# Altium PCB Pleiades_Frouf.PcbDoc (part 1 of 12) (continued)
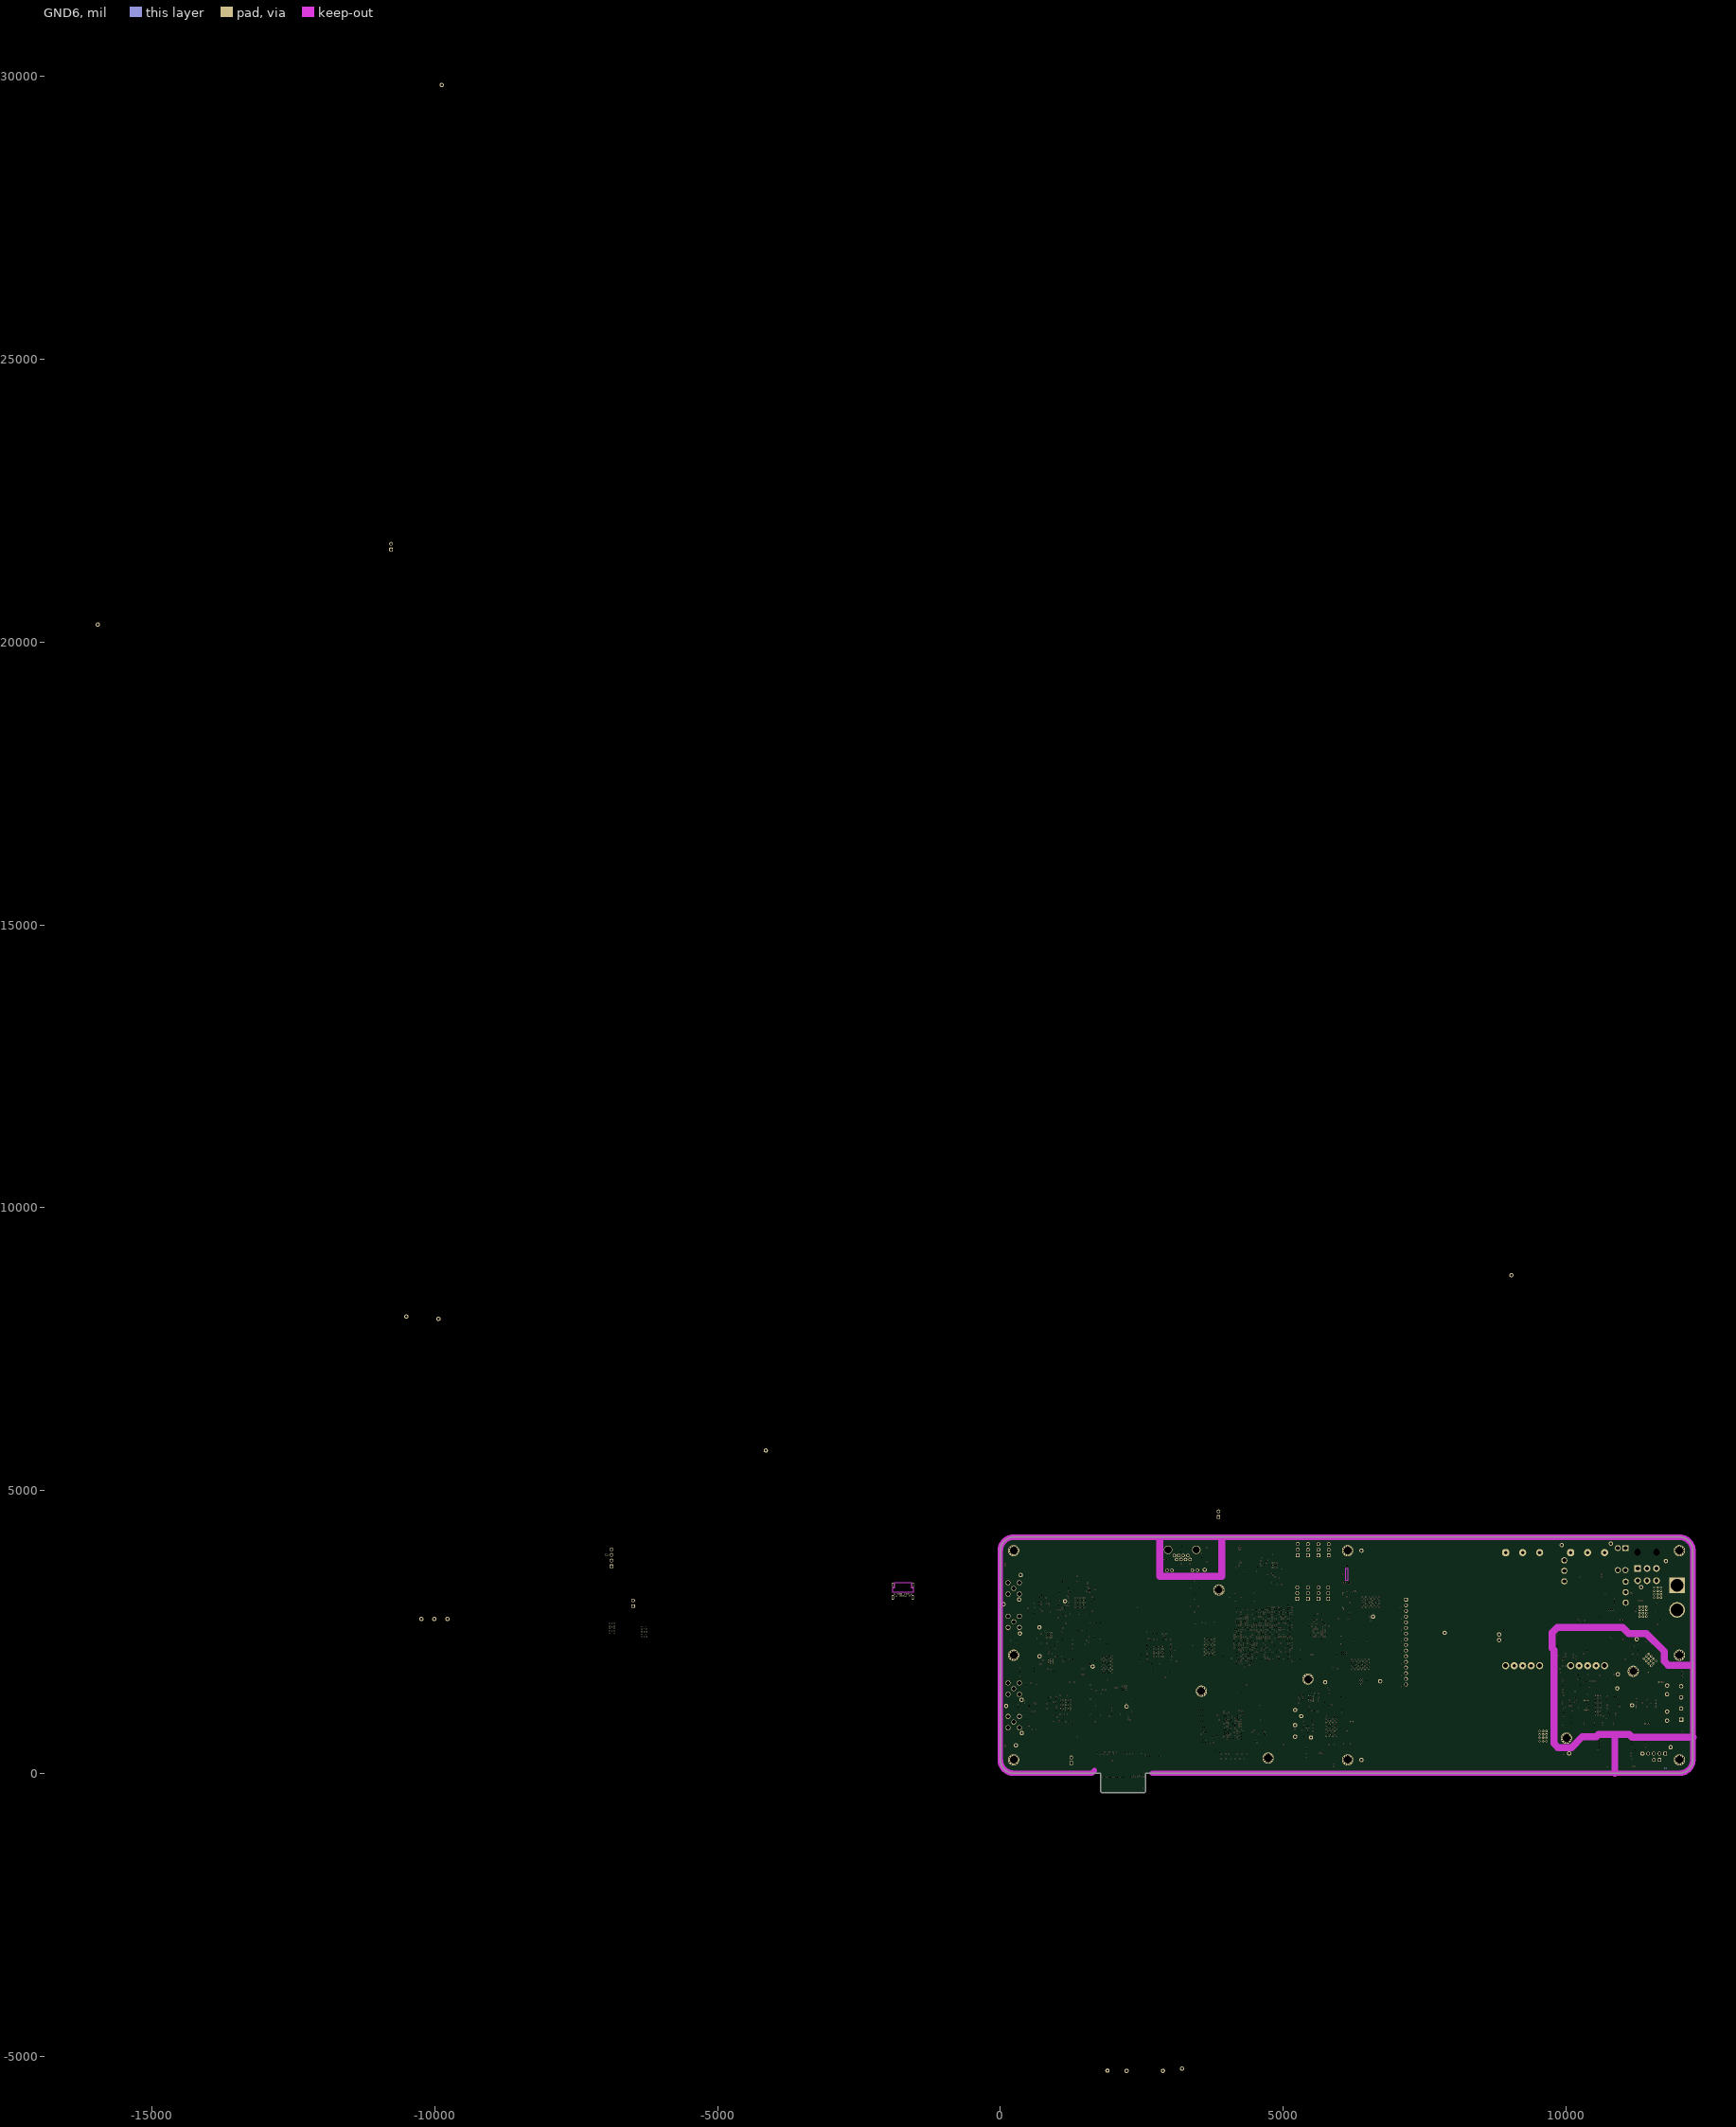
[diagram p11: GND6]

## Layer stack, top to bottom
Top Solder: solder mask 0.4, Solder Resist, Dk 3.5
TOP: signal copper 1.378
Dielectric 1: prepreg 3.15, ISO106/1080, Dk 3.5
GND1: signal copper 0.689
Dielectric 8: core 7, S1170G, Dk 4.4
IN1: signal copper 0.689
Dielectric 9: prepreg 3.15, ISO106/1080, Dk 3.5
GND2: signal copper 0.689
Dielectric 2: core 7, S1170G, Dk 4.4
POW1: signal copper 0.689
Dielectric 5: prepreg 3.15, ISO106/1080, Dk 3.5
GND3: signal copper 0.689
Dielectric 3: core 7, S1170G, Dk 4.4
POW2: signal copper 0.689
Dielectric 4: prepreg 3.15, ISO106/1080, Dk 3.5
GND4: signal copper 0.689
Dielectric 7: core 7, S1170G, Dk 4.4
GND5: signal copper 0.689
Dielectric 6: prepreg 3.15, ISO106/1080, Dk 3.5
IN2: signal copper 0.689
Dielectric 11: core 7, S1170G, Dk 4.4
GND6: signal copper 0.689
Dielectric 10: prepreg 3.15, ISO106/1080, Dk 3.5
BOT: signal copper 1.378
Bottom Solder: solder mask 0.4, Solder Resist, Dk 3.5

## Board outline
0,236.22 0,3937.01 cw(c236.22,3937.01) 236.22,4173.23 12007.87,4173.23 cw(c12007.87,3937.01) 12244.09,3937.01 12244.09,236.22 cw(c12007.88,236.21) 12007.87,0 2570.68,0 2570.68,-320.59 2549.21,-342.05 1793.78,-342.05 1772.31,-320.59 1772.31,0 236.22,0 cw(c236.22,236.22)

## Design rules (kind name [scope] priority, off if disabled: settings)
BoardOutlineClearance [All] p1: gap=100 ignorepadtopadclearanceinfootprint=FALSE
Clearance [All] p1: gap=5 ignorepadtopadclearanceinfootprint=FALSE except(3: Arc-Arc Arc-Track Arc-SMDPad Arc-Text Arc-Hole Track-Track Track-SMDPad Track-Text Track-Hole SMDPad-Text SMDPad-Hole THPad-Text THPad-Hole Via-Text Via-Hole Fill-Text Fill-Hole Poly-Text Poly-Hole Region-Text Region-Hole Text-Text Text-Hole; 6: SMDPad-SMDPad)
ComponentClearance "Schematic Component Clearance Constraint" [InComponent('F2')] p1: gap=-1 collisioncheckmode=3 verticalgap=10 showdistances=FALSE
ComponentClearance [All] p2: gap=4 collisioncheckmode=3 verticalgap=4 showdistances=FALSE donotcheckwithout3dbody=TRUE
DiffPairsRouting CAN [InNetClass('CAN')] p1: maxlimit=5 minlimit=5 mostfreqgap=5 toplayer_minwidth=2.64 toplayer_maxwidth=2.64 toplayer_prefwidth=2.64 midlayer1_minwidth=1.54 midlayer1_maxwidth=1.54 midlayer1_prefwidth=1.54 midlayer2_minwidth=1.54 midlayer2_maxwidth=1.54 midlayer2_prefwidth=1.54 midlayer3_minwidth=1.66 midlayer3_maxwidth=1.66 midlayer3_prefwidth=1.66 midlayer4_minwidth=1.66 midlayer4_maxwidth=1.66 midlayer4_prefwidth=1.66 midlayer5_minwidth=1.66 midlayer5_maxwidth=1.66 midlayer5_prefwidth=1.66 midlayer6_minwidth=1.66 midlayer6_maxwidth=1.66 midlayer6_prefwidth=1.66 midlayer7_minwidth=1.66 midlayer7_maxwidth=1.66 midlayer7_prefwidth=1.66 midlayer8_minwidth=1.66 midlayer8_maxwidth=1.66 midlayer8_prefwidth=1.66 midlayer9_minwidth=1.66 midlayer9_maxwidth=1.66 midlayer9_prefwidth=1.66 midlayer10_minwidth=1.66 midlayer10_maxwidth=1.66 midlayer10_prefwidth=1.66 bottomlayer_minwidth=2.64 bottomlayer_maxwidth=2.64 bottomlayer_prefwidth=2.64 impedanceprofiledriven=TRUE impedanceprofileid={DE4A70F6-E1AD-4725-B74E-AB88CDF0554B} impedanceprofilevalue=120.000000 maxuncoupledlength=500 // 120R CANBUS
DiffPairsRouting ADC_DATA [InNetClass('ADC_DATA')] p2: maxlimit=7.05 minlimit=5 mostfreqgap=6.3 toplayer_maxgap=5 toplayer_prefgap=5 toplayer_minwidth=4.33 toplayer_maxwidth=4.33 toplayer_prefwidth=4.33 midlayer1_maxgap=5 midlayer1_prefgap=7.05 midlayer1_minwidth=2.75 midlayer1_maxwidth=2.75 midlayer1_prefwidth=3.15 midlayer2_mingap=7.05 midlayer2_prefgap=7.05 midlayer2_minwidth=3.15 midlayer2_maxwidth=3.15 midlayer2_prefwidth=3.15 midlayer3_mingap=6.3 midlayer3_maxgap=6.3 midlayer3_minwidth=3.15 midlayer3_maxwidth=3.15 midlayer3_prefwidth=3.15 midlayer4_maxgap=5 midlayer4_minwidth=2.87 midlayer4_maxwidth=2.87 midlayer4_prefwidth=3.15 midlayer5_mingap=6.3 midlayer5_maxgap=6.3 midlayer5_minwidth=3.15 midlayer5_maxwidth=3.15 midlayer5_prefwidth=3.15 midlayer6_maxgap=5 midlayer6_minwidth=2.87 midlayer6_maxwidth=2.87 midlayer6_prefwidth=3.15 midlayer7_mingap=6.3 midlayer7_maxgap=6.3 midlayer7_minwidth=3.15 midlayer7_maxwidth=3.15 midlayer7_prefwidth=3.15 midlayer8_maxgap=5 midlayer8_minwidth=2.87 midlayer8_maxwidth=2.87 midlayer8_prefwidth=3.15 midlayer9_maxgap=5 midlayer9_minwidth=2.87 midlayer9_maxwidth=2.87 midlayer9_prefwidth=3.15 midlayer10_mingap=6.3 midlayer10_maxgap=6.3 midlayer10_minwidth=3.15 midlayer10_maxwidth=3.15 midlayer10_prefwidth=3.15 bottomlayer_maxgap=5 bottomlayer_prefgap=5 bottomlayer_minwidth=4.33 bottomlayer_maxwidth=4.33 bottomlayer_prefwidth=4.33 impedanceprofiledriven=TRUE impedanceprofileid={05A67C6A-AC3B-4866-B775-5894B8BFD764} impedanceprofilevalue=100.000000 maxuncoupledlength=500 // 100R LVDS
DiffPairsRouting DAC_DATA [InNetClass('DAC_DIFF')] p3: maxlimit=7.05 minlimit=5 mostfreqgap=6.3 toplayer_maxgap=5 toplayer_prefgap=5 toplayer_minwidth=4.33 toplayer_maxwidth=4.33 toplayer_prefwidth=4.33 midlayer1_maxgap=5 midlayer1_prefgap=7.05 midlayer1_minwidth=2.75 midlayer1_maxwidth=2.75 midlayer1_prefwidth=3.15 midlayer2_mingap=7.05 midlayer2_prefgap=7.05 midlayer2_minwidth=3.15 midlayer2_maxwidth=3.15 midlayer2_prefwidth=3.15 midlayer3_mingap=6.3 midlayer3_maxgap=6.3 midlayer3_minwidth=3.15 midlayer3_maxwidth=3.15 midlayer3_prefwidth=3.15 midlayer4_maxgap=5 midlayer4_minwidth=2.87 midlayer4_maxwidth=2.87 midlayer4_prefwidth=3.15 midlayer5_mingap=6.3 midlayer5_maxgap=6.3 midlayer5_minwidth=3.15 midlayer5_maxwidth=3.15 midlayer5_prefwidth=3.15 midlayer6_maxgap=5 midlayer6_minwidth=2.87 midlayer6_maxwidth=2.87 midlayer6_prefwidth=3.15 midlayer7_mingap=6.3 midlayer7_maxgap=6.3 midlayer7_minwidth=3.15 midlayer7_maxwidth=3.15 midlayer7_prefwidth=3.15 midlayer8_maxgap=5 midlayer8_minwidth=2.87 midlayer8_maxwidth=2.87 midlayer8_prefwidth=3.15 midlayer9_maxgap=5 midlayer9_minwidth=2.87 midlayer9_maxwidth=2.87 midlayer9_prefwidth=3.15 midlayer10_mingap=6.3 midlayer10_maxgap=6.3 midlayer10_minwidth=3.15 midlayer10_maxwidth=3.15 midlayer10_prefwidth=3.15 bottomlayer_maxgap=5 bottomlayer_prefgap=5 bottomlayer_minwidth=4.33 bottomlayer_maxwidth=4.33 bottomlayer_prefwidth=4.33 impedanceprofiledriven=TRUE impedanceprofileid={05A67C6A-AC3B-4866-B775-5894B8BFD764} impedanceprofilevalue=100.000000 maxuncoupledlength=500 // 100R LVDS
DiffPairsRouting PCI [InNetClass('PCI')] p4: maxlimit=7.05 minlimit=5 mostfreqgap=6.3 toplayer_maxgap=5 toplayer_prefgap=5 toplayer_minwidth=4.33 toplayer_maxwidth=4.33 toplayer_prefwidth=4.33 midlayer1_maxgap=5 midlayer1_prefgap=7.05 midlayer1_minwidth=2.75 midlayer1_maxwidth=2.75 midlayer1_prefwidth=3.15 midlayer2_mingap=7.05 midlayer2_prefgap=7.05 midlayer2_minwidth=3.15 midlayer2_maxwidth=3.15 midlayer2_prefwidth=3.15 midlayer3_mingap=6.3 midlayer3_maxgap=6.3 midlayer3_minwidth=3.15 midlayer3_maxwidth=3.15 midlayer3_prefwidth=3.15 midlayer4_maxgap=5 midlayer4_minwidth=2.87 midlayer4_maxwidth=2.87 midlayer4_prefwidth=3.15 midlayer5_mingap=6.3 midlayer5_maxgap=6.3 midlayer5_minwidth=3.15 midlayer5_maxwidth=3.15 midlayer5_prefwidth=3.15 midlayer6_maxgap=5 midlayer6_minwidth=2.87 midlayer6_maxwidth=2.87 midlayer6_prefwidth=3.15 midlayer7_mingap=6.3 midlayer7_maxgap=6.3 midlayer7_minwidth=3.15 midlayer7_maxwidth=3.15 midlayer7_prefwidth=3.15 midlayer8_maxgap=5 midlayer8_minwidth=2.87 midlayer8_maxwidth=2.87 midlayer8_prefwidth=3.15 midlayer9_maxgap=5 midlayer9_minwidth=2.87 midlayer9_maxwidth=2.87 midlayer9_prefwidth=3.15 midlayer10_mingap=6.3 midlayer10_maxgap=6.3 midlayer10_minwidth=3.15 midlayer10_maxwidth=3.15 midlayer10_prefwidth=3.15 bottomlayer_maxgap=5 bottomlayer_prefgap=5 bottomlayer_minwidth=4.33 bottomlayer_maxwidth=4.33 bottomlayer_prefwidth=4.33 impedanceprofiledriven=TRUE impedanceprofileid={05A67C6A-AC3B-4866-B775-5894B8BFD764} impedanceprofilevalue=100.000000 maxuncoupledlength=500 // 100R LVDS
DiffPairsRouting ETH [InNetClass('ETHERNET')] p5: maxlimit=7.05 minlimit=5 mostfreqgap=6.3 toplayer_maxgap=5 toplayer_prefgap=5 toplayer_minwidth=4.33 toplayer_maxwidth=4.33 toplayer_prefwidth=4.33 midlayer1_maxgap=5 midlayer1_prefgap=7.05 midlayer1_minwidth=2.75 midlayer1_maxwidth=2.75 midlayer1_prefwidth=3.15 midlayer2_mingap=7.05 midlayer2_prefgap=7.05 midlayer2_minwidth=3.15 midlayer2_maxwidth=3.15 midlayer2_prefwidth=3.15 midlayer3_mingap=6.3 midlayer3_maxgap=6.3 midlayer3_minwidth=3.15 midlayer3_maxwidth=3.15 midlayer3_prefwidth=3.15 midlayer4_maxgap=5 midlayer4_minwidth=2.87 midlayer4_maxwidth=2.87 midlayer4_prefwidth=3.15 midlayer5_mingap=6.3 midlayer5_maxgap=6.3 midlayer5_minwidth=3.15 midlayer5_maxwidth=3.15 midlayer5_prefwidth=3.15 midlayer6_maxgap=5 midlayer6_minwidth=2.87 midlayer6_maxwidth=2.87 midlayer6_prefwidth=3.15 midlayer7_mingap=6.3 midlayer7_maxgap=6.3 midlayer7_minwidth=3.15 midlayer7_maxwidth=3.15 midlayer7_prefwidth=3.15 midlayer8_maxgap=5 midlayer8_minwidth=2.87 midlayer8_maxwidth=2.87 midlayer8_prefwidth=3.15 midlayer9_maxgap=5 midlayer9_minwidth=2.87 midlayer9_maxwidth=2.87 midlayer9_prefwidth=3.15 midlayer10_mingap=6.3 midlayer10_maxgap=6.3 midlayer10_minwidth=3.15 midlayer10_maxwidth=3.15 midlayer10_prefwidth=3.15 bottomlayer_maxgap=5 bottomlayer_prefgap=5 bottomlayer_minwidth=4.33 bottomlayer_maxwidth=4.33 bottomlayer_prefwidth=4.33 impedanceprofiledriven=TRUE impedanceprofileid={05A67C6A-AC3B-4866-B775-5894B8BFD764} impedanceprofilevalue=100.000000 maxuncoupledlength=500 // 100R 100BaseT
DiffPairsRouting USB [InNetClass('USB')] p6: maxlimit=5 minlimit=5 mostfreqgap=5 toplayer_minwidth=5.51 toplayer_maxwidth=5.51 toplayer_prefwidth=5.51 midlayer1_minwidth=3.61 midlayer1_maxwidth=3.61 midlayer1_prefwidth=3.61 midlayer2_minwidth=3.61 midlayer2_maxwidth=3.61 midlayer2_prefwidth=3.61 midlayer3_minwidth=3.74 midlayer3_maxwidth=3.74 midlayer3_prefwidth=3.74 midlayer4_minwidth=3.74 midlayer4_maxwidth=3.74 midlayer4_prefwidth=3.74 midlayer5_minwidth=3.74 midlayer5_maxwidth=3.74 midlayer5_prefwidth=3.74 midlayer6_minwidth=3.74 midlayer6_maxwidth=3.74 midlayer6_prefwidth=3.74 midlayer7_minwidth=3.74 midlayer7_maxwidth=3.74 midlayer7_prefwidth=3.74 midlayer8_minwidth=3.74 midlayer8_maxwidth=3.74 midlayer8_prefwidth=3.74 midlayer9_minwidth=3.74 midlayer9_maxwidth=3.74 midlayer9_prefwidth=3.74 midlayer10_minwidth=3.74 midlayer10_maxwidth=3.74 midlayer10_prefwidth=3.74 bottomlayer_minwidth=5.51 bottomlayer_maxwidth=5.51 bottomlayer_prefwidth=5.51 impedanceprofiledriven=TRUE impedanceprofileid={7D1AEDE0-36C0-413F-BBC2-98FFA5233D9F} impedanceprofilevalue=90.000000 maxuncoupledlength=500 // 90R USB
DiffPairsRouting DDR_CLK [InNetClass('DDR_CLK')] p7: maxlimit=5 minlimit=5 mostfreqgap=5 toplayer_minwidth=7.01 toplayer_maxwidth=7.01 toplayer_prefwidth=7.01 midlayer1_minwidth=4.73 midlayer1_maxwidth=4.73 midlayer1_prefwidth=4.73 midlayer2_minwidth=4.73 midlayer2_maxwidth=4.73 midlayer2_prefwidth=4.73 midlayer3_minwidth=4.86 midlayer3_maxwidth=4.86 midlayer3_prefwidth=4.86 midlayer4_minwidth=4.86 midlayer4_maxwidth=4.86 midlayer4_prefwidth=4.86 midlayer5_minwidth=4.86 midlayer5_maxwidth=4.86 midlayer5_prefwidth=4.86 midlayer6_minwidth=4.86 midlayer6_maxwidth=4.86 midlayer6_prefwidth=4.86 midlayer7_minwidth=4.86 midlayer7_maxwidth=4.86 midlayer7_prefwidth=4.86 midlayer8_minwidth=4.86 midlayer8_maxwidth=4.86 midlayer8_prefwidth=4.86 midlayer9_minwidth=4.86 midlayer9_maxwidth=4.86 midlayer9_prefwidth=4.86 midlayer10_minwidth=4.86 midlayer10_maxwidth=4.86 midlayer10_prefwidth=4.86 bottomlayer_minwidth=7.01 bottomlayer_maxwidth=7.01 bottomlayer_prefwidth=7.01 impedanceprofiledriven=TRUE impedanceprofileid={CDF22601-6683-4BD2-AACC-EE1CEA71E08A} impedanceprofilevalue=80.000000 maxuncoupledlength=500 // 80R DDR
DiffPairsRouting CLK [InNetClass('CLK')] p8: maxlimit=7.05 minlimit=5 mostfreqgap=6.3 toplayer_maxgap=5 toplayer_prefgap=5 toplayer_minwidth=4.33 toplayer_maxwidth=4.33 toplayer_prefwidth=4.33 midlayer1_maxgap=5 midlayer1_prefgap=7.05 midlayer1_minwidth=2.75 midlayer1_maxwidth=2.75 midlayer1_prefwidth=3.15 midlayer2_mingap=7.05 midlayer2_prefgap=7.05 midlayer2_minwidth=3.15 midlayer2_maxwidth=3.15 midlayer2_prefwidth=3.15 midlayer3_mingap=6.3 midlayer3_maxgap=6.3 midlayer3_minwidth=3.15 midlayer3_maxwidth=3.15 midlayer3_prefwidth=3.15 midlayer4_maxgap=5 midlayer4_minwidth=2.87 midlayer4_maxwidth=2.87 midlayer4_prefwidth=3.15 midlayer5_mingap=6.3 midlayer5_maxgap=6.3 midlayer5_minwidth=3.15 midlayer5_maxwidth=3.15 midlayer5_prefwidth=3.15 midlayer6_maxgap=5 midlayer6_minwidth=2.87 midlayer6_maxwidth=2.87 midlayer6_prefwidth=3.15 midlayer7_mingap=6.3 midlayer7_maxgap=6.3 midlayer7_minwidth=3.15 midlayer7_maxwidth=3.15 midlayer7_prefwidth=3.15 midlayer8_maxgap=5 midlayer8_minwidth=2.87 midlayer8_maxwidth=2.87 midlayer8_prefwidth=3.15 midlayer9_maxgap=5 midlayer9_minwidth=2.87 midlayer9_maxwidth=2.87 midlayer9_prefwidth=3.15 midlayer10_mingap=6.3 midlayer10_maxgap=6.3 midlayer10_minwidth=3.15 midlayer10_maxwidth=3.15 midlayer10_prefwidth=3.15 bottomlayer_maxgap=5 bottomlayer_prefgap=5 bottomlayer_minwidth=4.33 bottomlayer_maxwidth=4.33 bottomlayer_prefwidth=4.33 impedanceprofiledriven=TRUE impedanceprofileid={05A67C6A-AC3B-4866-B775-5894B8BFD764} impedanceprofilevalue=100.000000 maxuncoupledlength=500 // 100R LVDS
HoleSize [All] p1: absolutevalues=TRUE maxlimit=1000 minlimit=6 maxpercent=80.000 minpercent=20.000
HoleToHoleClearance [All] p1: gap=10 allowstackedmicrovias=FALSE
Length ACC* [InNetClass('ACC')] p1: maxlimit=3172 minlimit=3162
Length DQH [InNetClass('DQH')] p2: maxlimit=3167 minlimit=1990
Length DQL [All] p3: maxlimit=3167 minlimit=1997.5
MatchedLengths DIFF [IsDifferentialPair] p1: tolerance=1 checknetsindiffpair=TRUE checkdiffpairvsdiffpair=FALSE checkxsignals=FALSE checkothers=FALSE
MatchedLengths PROM [InNetClass('PROM_D[0..7]')] p2: tolerance=50 checknetsindiffpair=FALSE checkdiffpairvsdiffpair=TRUE checkxsignals=TRUE checkothers=TRUE
MatchedLengths DAC [InNetClass('DAC_DIFF')] p3: tolerance=50 checknetsindiffpair=FALSE checkdiffpairvsdiffpair=TRUE checkxsignals=TRUE checkothers=TRUE
MatchedLengths ADC [InNetClass('ADC_DATA')] p4: tolerance=50 checknetsindiffpair=FALSE checkdiffpairvsdiffpair=TRUE checkxsignals=TRUE checkothers=TRUE
MatchedLengths DDR3_A [InNetClass('ACC')] p5: tolerance=10 checknetsindiffpair=FALSE checkdiffpairvsdiffpair=TRUE checkxsignals=TRUE checkothers=TRUE
MatchedLengths DDR3_DQ [InNetClass('DDR_DATA')] p6: tolerance=10 checknetsindiffpair=FALSE checkdiffpairvsdiffpair=TRUE checkxsignals=TRUE checkothers=TRUE
MinimumSolderMaskSliver [All] p1: minsoldermaskwidth=4
PolygonConnect [All] p1: thpad.connectstyle=Relief thpad.reliefconductorwidth=10 thpad.reliefentries=4 thpad.polygonreliefangle="90 Angle" thpad.airgapwidth=10 smdpad.connectstyle=Relief smdpad.reliefconductorwidth=10 smdpad.reliefentries=4 smdpad.polygonreliefangle="90 Angle" smdpad.airgapwidth=10 via.connectstyle=Direct via.reliefconductorwidth=10 via.reliefentries=4 via.polygonreliefangle="90 Angle" via.airgapwidth=10
ReturnPath [All] p1: impedanceprofileid={05A67C6A-AC3B-4866-B775-5894B8BFD764} _gaplimit=15 _useantipads=TRUE
RoutingCorners [All] p1: cornerstyle=45-Degree minsetback=10 maxsetback=100
RoutingVias [All] p1: holewidth=6 width=12 viastyle="Through Hole" minholewidth=6 minwidth=12 maxholewidth=12 maxwidth=25
SilkToSolderMaskClearance [IsPad] p1: minsilkscreentomaskgap=2 clearancetoexposedcopper=FALSE
SolderMaskExpansion [All] p1: expansion=2 istentingtop=FALSE
UnRoutedNet [All] p1: checkbadconnections=TRUE
ViasUnderSMD [All] p1: allowed=FALSE
Width SMA [InNetClass('S50')] p1: maxlimit=5.95 minlimit=3.59 preferedwidth=3.68 toplayer_minwidth=5.95 toplayer_prefwidth=5.95 midlayer1_maxwidth=3.59 midlayer1_prefwidth=3.59 midlayer2_maxwidth=3.59 midlayer2_prefwidth=3.59 midlayer3_minwidth=3.68 midlayer3_maxwidth=3.68 midlayer4_minwidth=3.68 midlayer4_maxwidth=3.68 midlayer5_minwidth=3.68 midlayer5_maxwidth=3.68 midlayer6_minwidth=3.68 midlayer6_maxwidth=3.68 midlayer7_minwidth=3.68 midlayer7_maxwidth=3.68 midlayer8_minwidth=3.68 midlayer8_maxwidth=3.68 midlayer9_minwidth=3.68 midlayer9_maxwidth=3.68 midlayer10_minwidth=3.68 midlayer10_maxwidth=3.68 bottomlayer_minwidth=5.95 bottomlayer_prefwidth=5.95 impedanceprofiledriven=TRUE impedanceprofileid={5B32A8D3-FA0C-4A79-98A4-D27902F219B5} impedanceprofilevalue=50.000000 minimp=50.000000 maximp=50.000000 favimp=50.000000
Width DDR_ACC [InNetClass('ACC')] p2: maxlimit=8.89 minlimit=5.66 preferedwidth=5.75 toplayer_minwidth=8.89 toplayer_prefwidth=8.89 midlayer1_maxwidth=5.66 midlayer1_prefwidth=5.66 midlayer2_maxwidth=5.66 midlayer2_prefwidth=5.66 midlayer3_minwidth=5.75 midlayer3_maxwidth=5.75 midlayer4_minwidth=5.75 midlayer4_maxwidth=5.75 midlayer5_minwidth=5.75 midlayer5_maxwidth=5.75 midlayer6_minwidth=5.75 midlayer6_maxwidth=5.75 midlayer7_minwidth=5.75 midlayer7_maxwidth=5.75 midlayer8_minwidth=5.75 midlayer8_maxwidth=5.75 midlayer9_minwidth=5.75 midlayer9_maxwidth=5.75 midlayer10_minwidth=5.75 midlayer10_maxwidth=5.75 bottomlayer_minwidth=8.89 bottomlayer_prefwidth=8.89 impedanceprofiledriven=TRUE impedanceprofileid={EFCF330F-B202-430D-B88E-A9D3490C6BD2} impedanceprofilevalue=40.000000 minimp=50.000000 maximp=50.000000 favimp=50.000000
Width DDR_DQ [InNetClass('DDR_DATA')] p3: maxlimit=8.89 minlimit=5.66 preferedwidth=5.75 toplayer_minwidth=8.89 toplayer_prefwidth=8.89 midlayer1_maxwidth=5.66 midlayer1_prefwidth=5.66 midlayer2_maxwidth=5.66 midlayer2_prefwidth=5.66 midlayer3_minwidth=5.75 midlayer3_maxwidth=5.75 midlayer4_minwidth=5.75 midlayer4_maxwidth=5.75 midlayer5_minwidth=5.75 midlayer5_maxwidth=5.75 midlayer6_minwidth=5.75 midlayer6_maxwidth=5.75 midlayer7_minwidth=5.75 midlayer7_maxwidth=5.75 midlayer8_minwidth=5.75 midlayer8_maxwidth=5.75 midlayer9_minwidth=5.75 midlayer9_maxwidth=5.75 midlayer10_minwidth=5.75 midlayer10_maxwidth=5.75 bottomlayer_minwidth=8.89 bottomlayer_prefwidth=8.89 impedanceprofiledriven=TRUE impedanceprofileid={EFCF330F-B202-430D-B88E-A9D3490C6BD2} impedanceprofilevalue=40.000000 minimp=50.000000 maximp=50.000000 favimp=50.000000
Width PROM_DATA [InNetClass('PROM_D[0..7]')] p4: maxlimit=5.95 minlimit=3.59 preferedwidth=3.68 toplayer_minwidth=5.95 toplayer_prefwidth=5.95 midlayer1_maxwidth=3.59 midlayer1_prefwidth=3.59 midlayer2_maxwidth=3.59 midlayer2_prefwidth=3.59 midlayer3_minwidth=3.68 midlayer3_maxwidth=3.68 midlayer4_minwidth=3.68 midlayer4_maxwidth=3.68 midlayer5_minwidth=3.68 midlayer5_maxwidth=3.68 midlayer6_minwidth=3.68 midlayer6_maxwidth=3.68 midlayer7_minwidth=3.68 midlayer7_maxwidth=3.68 midlayer8_minwidth=3.68 midlayer8_maxwidth=3.68 midlayer9_minwidth=3.68 midlayer9_maxwidth=3.68 midlayer10_minwidth=3.68 midlayer10_maxwidth=3.68 bottomlayer_minwidth=5.95 bottomlayer_prefwidth=5.95 impedanceprofiledriven=TRUE impedanceprofileid={5B32A8D3-FA0C-4A79-98A4-D27902F219B5} impedanceprofilevalue=50.000000 minimp=50.000000 maximp=50.000000 favimp=50.000000
Width [All] p5: maxlimit=25 minlimit=3 preferedwidth=3.5 toplayer_prefwidth=6 bottomlayer_prefwidth=6 minimp=50.000000 maximp=50.000000 favimp=50.000000
22 further rules are at their usual default settings.
